# Altium PCB RevA3.PcbDoc (part 4 of 5)
Units mm, origin at the board's own origin, x right, y up, seen from the top; angles counter-clockwise.
Board outline 173 x 171 mm, 4 copper layers (Top Layer, Mid Layer 1, Mid Layer 2, Bottom Layer), stack 1.57 mm thick; 306 components, 465 nets, 1987 pads, 739 vias.
Unrouted connection lines stored in the file: 355.
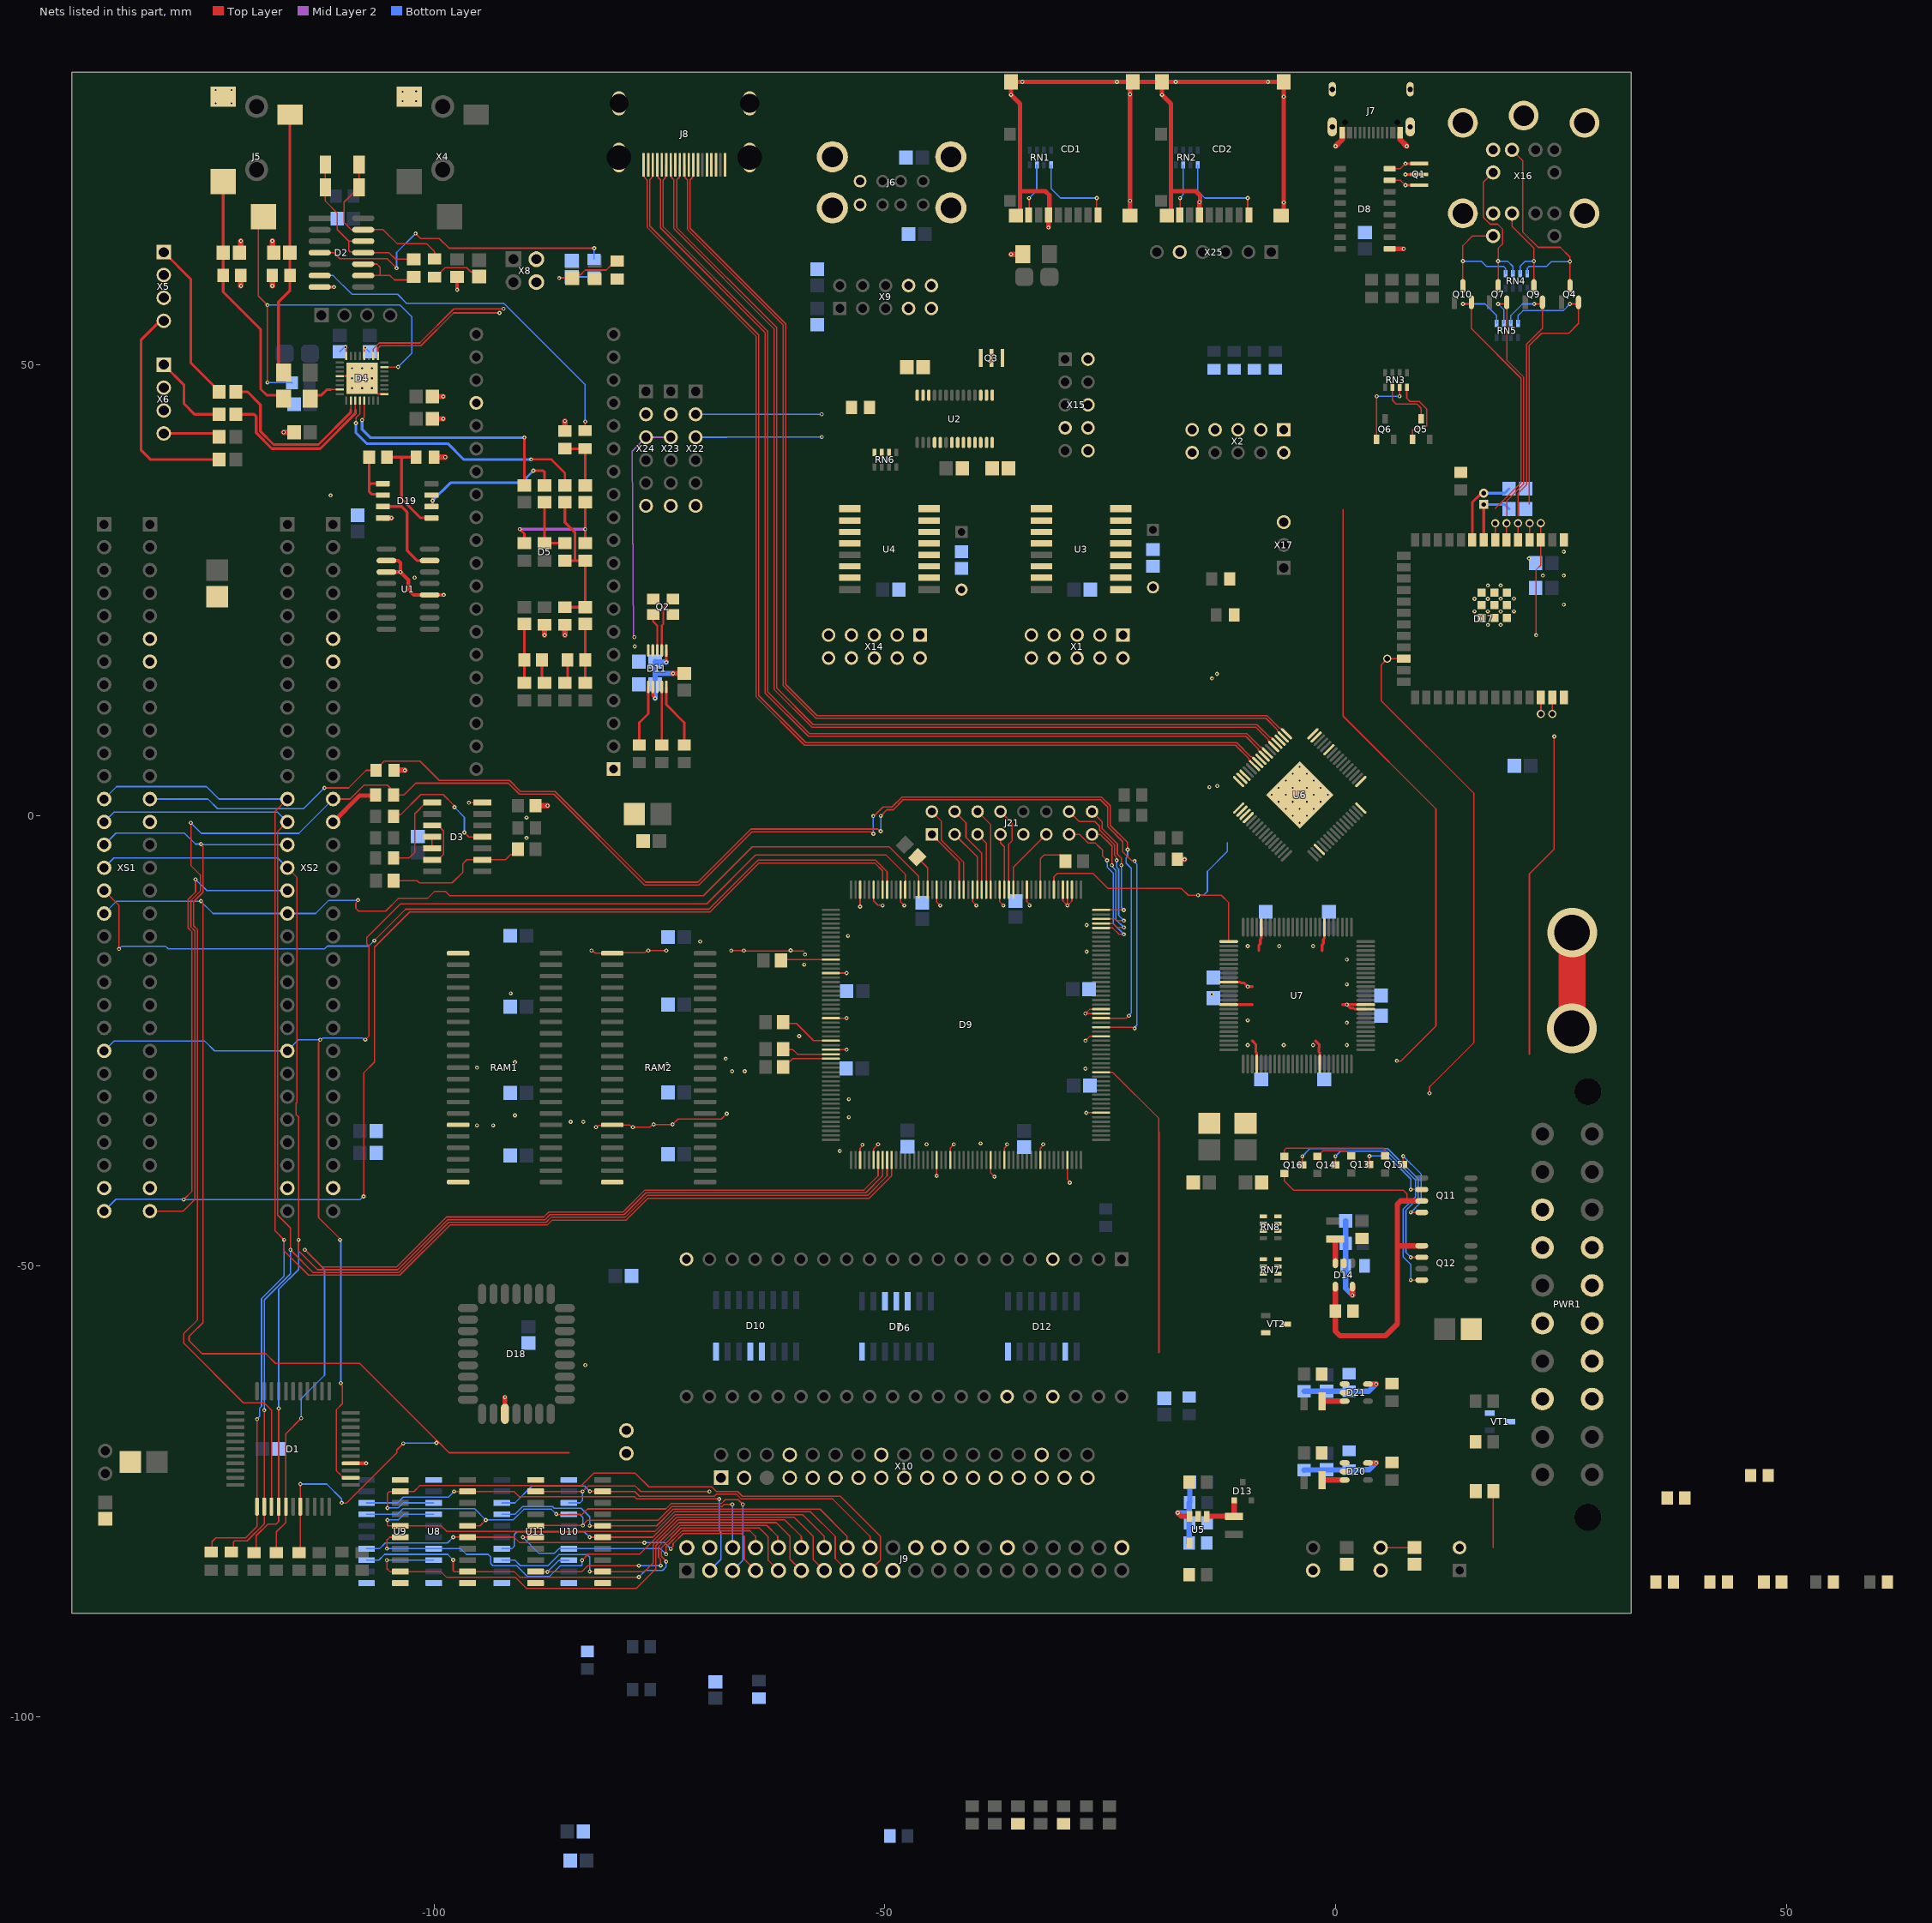
[diagram p6: the nets of this part, all layers, seen from the top]

## Via types
v1: diameter 0.45, hole 0.2, Top Layer to Bottom Layer, tented both sides, 631 vias
v2: diameter 0.9, hole 0.6, Top Layer to Bottom Layer, 35 vias
v3: diameter 0.5, hole 0.2, Top Layer to Bottom Layer, 25 vias
v4: diameter 0.45, hole 0.2, Top Layer to Bottom Layer, tented bottom, 18 vias
v5: diameter 0.45, hole 0.2, Top Layer to Bottom Layer, 15 vias
v6: diameter 1, hole 0.5, Top Layer to Bottom Layer, tented both sides, 9 vias
v7: diameter 5.5, hole 3.96, Top Layer to Bottom Layer, 6 vias

## Nets (pads, with @x,y where several pads share a name; then routed paths per layer and width w, separated by ;. In a path a pad name is that pad's centre, name@x,y a point inside that pad or via, vN(x,y) a via of type N, cw(c..) or ccw(c..) an arc to the next point about the centre after c; other vN are vias at no path point) (continued)
GND: C1.1 C2.1 C3.2 C10.2 C11.2 C12.2 C13.1 C14.2 C15.2 C16.1 C23.2 C24.2 C25.2 C26.2 C27.2 C29.2 C30.2 C32.2 C33.1 C34.2 C35.2 C36.2 C37.2 C38.2 C39.2 C40.1 C41.1 C43.1 C44.1 C45.1 C46.2 C48.2 C49.2 C50.2 C51.2 C52.1 C53.2 C54.2 C55.1 C56.1 C57.1 C59.1 C60.1 C61.2 C62.2 C63.2 C64.2 C65.2 C67.2 C68.2 C69.2 C71.2 C72.2 C73.2 C74.2 C76.2 C77.2 C82.2 C83.2 C84.2 C85.2 C86.2 C87.1 C88.2 C89.2 C90.2 C91.2 C92.2 C93.2 C94.2 C95.2 C96.2 C97.2 C98.2 C99.2 C100.2 C101.2 C102.2 C103.2 C104.2 C105.2 C106.2 C107.2 C108.2 C113.2 C114.2 CD1.6 CD1.11 CD1.12 CD1.13 CD1.14 CD2.6 CD2.11 CD2.12 CD2.13 CD2.14 D1.26 D2.7 D3.7 D4.9 D4.20 D4.24 D4.28 D4.33 D5.1 D5.24 D6.20 D6.37 D7.7 D8.1 D9.3 D9.6 D9.20 D9.23 D9.32 D9.35 D9.43 D9.49 D9.59 D9.76 D9.81 D9.82 D9.107 D9.108 D9.109 D9.117 D9.123 D9.129 D9.137 D9.145 D9.151 D9.154 D9.171 D9.181 D9.188 D10.4 D10.5 D10.8 D11.8 D12.7 D14.2 D17.1 D17.40 D17.EPAD D18.16 D19.4 D20.2 D21.2 J3.1 J4.1 J5.1 J6.4 J6.8 J6.Shell J7.A1_B12 J7.B1_A12 J7.S1 J7.S2 J7.S3 J7.S4 J8.2 J8.5 J8.8 J8.11 J8.17 J9.2 J9.19 J9.22 J9.24 J9.26 J9.30 J9.40 J21.9 PWR1.3 PWR1.5 PWR1.7 PWR1.13 PWR1.15 PWR1.16 PWR1.17 Q1.2 Q2.2 Q2.4 Q3.2 R9.1 R11.1 R16.1 R19.1 R22.1 R33.1 R34.1 R36.2 R38.1 R45.1 R54.1 R58.1 R63.1 R67.2 R72.1 R76.2 R84.1 R85.1 R100.2 R101.2 R103.1 R112.2 R120.1 R122.1 R124.1 R126.2 R127.2 RAM1.22 RAM1.37 RAM1.42 RAM2.22 RAM2.37 RAM2.42 RN8.1 RN8.2 RN8.3 U1.2 U1.3 U1.12 U2.1 U3.1 U3.2 U3.3 U3.8 U4.2 U4.3 U4.8 U5.2 U6.65 U7.10 U7.11 U7.32 U7.46 U7.60 U7.65 U7.79 U7.93 U8.10 U9.10 U10.10 U11.10 VT1.2 VT2.2 X1.8 X2.2 X2.10 X4.1 X5.2 X5.3 X6.2 X6.3 X8.2 X8.4 X9.7 X9.8 X10.1 X10.3 X10.7 X10.9 X10.11 X10.13 X10.15 X10.17 X10.19 X10.21 X10.23 X10.25 X10.27 X10.29 X10.31 X10.33 X14.8 X15.2 X15.10 X16.3 X16.9 X16.13 X16.14 X16.15 X16.16 X16.17 X17.3 X22.6 X23.6 X24.6 X25.5 XS1.A6 XS1.A7 XS1.A14 XS1.A30 XS1.B30 XS2.A6 XS2.A7 XS2.A14 XS2.A30 XS2.B30 | length 273.3
  Top Layer w0.15: D4.28@-110.475,48.75 -110.473,48.752 -109.827,48.752 ; v1(-109.849,51.964) -109.849,51.842 -109.75,51.744 D4.24@-109.75,50.975 ; D4.20@-107.75,50.975 -107.75,51.688 -107.658,51.78 v1(-107.658,51.902) ; v1(-96.15,1.4) -94.67,1.4 D3.7@-94.65,1.42 ; v1@-82.668,-15 v1(-82.55,-15) -82.428,-15 -82.128,-15.3 RAM2.22@-80.237,-15.3 -80.162,-15.225 -76.597,-15.225 -76.372,-15 v1(-76.25,-15) v1(-74.25,-15) ; -81.85,-34.4 -80.237,-34.4 -80.187,-34.35 -78.322,-34.35 -78.072,-34.6 v1(-77.95,-34.6) -76.072,-34.6 -75.772,-34.3 v1(-75.65,-34.3) v1(-73.55,-34.3) -72.95,-33.7 -68.15,-33.7 v1(-67.55,-33.1) ; v1(-67.05,-15) v1(-65.65,-15) -65.618,-15.031 -58.982,-15.031 -58.95,-15.063 ; D9.188@-56,-26 v1(-54.25,-26) ; D9.181@-56,-22.5 v1(-54.25,-22.5) ; D9.171@-56,-17.5 v1(-54.25,-17.5) ; D9.3@-52.75,-38.25 -52.75,-36.919 -52.5,-36.669 v1(-52.5,-36.548) ; v1(-52.75,-10.134) -52.75,-9.4 D9.154@-52.75,-8.25 ; D9.6@-51.25,-38.25 -51.25,-37 v1(-50.75,-36.5) ; D9.151@-51.25,-8.25 -51.25,-9.475 -50.775,-9.95 -50.3,-9.95 v1(-50.25,-10) ; D9.145@-48.25,-8.25 -48.25,-9.6 v1(-47.85,-10) ; v1(-44.25,-40) D9.20@-44.25,-38.25 ; D9.137@-44.25,-8.25 -44.25,-9.6 v1(-43.85,-10) ; D9.23@-42.75,-38.25 -42.75,-36.9 v1(-42.35,-36.5) ; D9.129@-40.25,-8.25 -40.25,-9.6 v1(-39.85,-10) ; D9.32@-38.25,-38.25 -38.25,-39.7 v1(-37.85,-40.1) ; D9.123@-37.25,-8.25 -37.25,-9.6 v1(-36.85,-10) ; D9.35@-36.75,-38.25 -36.75,-36.922 -36.45,-36.622 v1(-36.45,-36.5) ; D9.117@-34.25,-8.25 -34.25,-9.578 -33.95,-9.878 v1(-33.95,-10) ; D9.43@-32.75,-38.25 -32.75,-36.922 -32.45,-36.622 v1(-32.45,-36.5) ; D9.109@-30.25,-8.25 -30.25,-9.5 v1(-29.75,-10) ; D9.49@-29.75,-38.25 -29.75,-40.378 -29.5,-40.628 v1(-29.5,-40.75) ; D9.108@-29.75,-8.25 v1(-29.75,-10) ; D9.107@-29.25,-8.25 -29.25,-9.5 v1(-29.75,-10) ; v1(-27.75,-25) -27.25,-24.5 D9.76@-26,-24.5 ; v1(-27.65,-33) D9.59@-26,-33 ; D9.81@-26.05,-22 v1(-27.75,-22) -27.25,-21.5 D9.82@-26,-21.5
  Top Layer w0.2: v5(-106.9,47.4) -106.275,46.775 -105.55,46.775 D4.9@-105.525,46.75
  Top Layer w0.3: D2.7@-112.7,58.63 -112.694,58.624 -111.113,58.624 v1(-111.107,58.619) ; -109.827,48.752 -108.252,48.752 v5(-108,48.5) ; U7.65@-11.85,-21 -9.25,-21 ; U7.60@-11.85,-18.5 -10.599,-18.5 -10.499,-18.6 -10.15,-18.6 v1(-9.75,-19) -9.25,-19 ; -9.25,-25 -8.853,-25.397 -8.853,-26.25 -8.75,-26.353 U7.79@-8.75,-27.6 ; -8.5,-15 -8.5,-14.394 -8.35,-14.243 -8.35,-13.751 -8.25,-13.651 U7.46@-8.25,-12.4 ; -2.25,-25 -1.8,-25.45 -1.8,-25.701 -1.85,-25.751 -1.85,-26.249 -1.75,-26.349 U7.93@-1.75,-27.6 ; -1.5,-15 -1.5,-14.384 -1.35,-14.234 -1.35,-13.751 -1.25,-13.651 U7.32@-1.25,-12.4 ; 0.75,-21 v1(1.25,-21) ; U7.10@3.35,-21.5 2.099,-21.5 1.999,-21.4 1.65,-21.4 v1(1.25,-21) ; U7.11@3.35,-21 v1(1.25,-21) ; v1(7.758,71.12) Q1.2@9.275,71.12
  Top Layer w0.4: D1.26@-109.25,-71.9 v1(-107.55,-71.9) ; U1.3@-105.3,27 v1(-103.75,27) ; U1.2@-105.3,28.27 -103.984,28.27 -103.75,28.036 v1(-103.75,27) ; v1(-98.928,24.464) -98.93,24.462 -100.498,24.462 U1.12@-100.5,24.46 -102.266,24.46 -102.856,25.05 -102.856,26.106 v1(-103.75,27) ; v1(-97.45,58.31) R16.1@-97.45,59.41
  Top Layer w0.5: XS2.A14@-111.178,-0.7 -108.278,2.2 R9.1@-106.65,2.2 ; D18.16@-92.162,-66.769 -92.15,-66.757 v1(-92.15,-64.558) ; CD1.14@-35.464,66.537 -35.014,66.987 -35.014,69.25 ; v1(-31.854,65.229) CD1.6@-31.854,66.627 -31.75,66.731 -31.75,68.811 -32.189,69.25 -35.014,69.25 ; CD1.13@-22.804,66.537 v1(-22.804,68.187) v1(-22.804,80) -22.804,81.087 CD1.12@-22.504,81.387 ; CD2.14@-18.714,66.537 -18.264,66.987 -18.264,69.25 ; CD2.6@-15.104,66.627 v1(-15.104,68.046) ; v1@-15.085,68.073 -15.085,68.092 -15.038,68.139 -15.038,68.796 -15.492,69.25 -18.264,69.25 ; CD2.13@-6.054,66.537 -5.754,66.837 v1(-5.754,68) -5.752,68.002 -5.752,79.748 v1(-5.75,79.75) -5.75,81.383 CD2.12@-5.754,81.387 v1(-7.5,81.387) v1(-17.75,81.387) CD2.11@-19.254,81.387 ; D8.1@6,62.86 v1(7.551,62.86) ; -35.014,69.25 -35.014,78.955 v1(-36.004,79.945) CD1.11@-36.004,81.387 v1(-34.75,81.387) v1(-24.25,81.387) CD1.12@-22.504,81.387 ; CD1.12@-22.504,81.387 CD2.11@-19.254,81.387 ; CD2.11@-19.254,81.387 v1(-19.254,79.945) -18.264,78.955 -18.264,69.25
  Top Layer w0.6: C1.1@-121.601,62.44 -121.451,62.591 v1(-121.451,63.75) ; v1(-121.451,58.75) R84.1@-121.45,59.9 ; v1(-117.952,58.75) R85.1@-117.952,59.9 ; v1(-117.952,63.75) -117.952,62.591 C2.1@-117.802,62.44 ; v1(-116.7,42.5) C30.2@-115.552,42.5 ; D19.4@-105.7,33 v1(-104.75,33) ; R11.1@-104.448,5 -104.433,5.014 -103.264,5.014 v1(-103.25,5) ; C32.2@-100.198,44 v1(-99,44) ; C25.2@-100.198,46.475 v1(-99,46.475) ; R22.1@-99.996,39.75 v1(-98.769,39.75) ; R19.1@-88.75,1.073 v1(-87.425,1.073) ; v1(-87.75,20) R100.2@-87.75,21.15 ; v1(-85.5,20) R101.2@-85.5,21.15 ; R103.1@-85.5,42.637 v1(-85.5,43.75) ; v1(-36,62.25) C33.1@-34.7,62.25 ; R63.1@-17.547,-4.883 v1(-16.75,-4.883) ; v1(0.001,74.25) 0.75,74.999 J7.B1_A12@0.75,75.75 ; J7.A1_B12@7.15,75.75 7.15,75.224 7.165,75.209 7.165,74.984 v1(7.899,74.25)
  Top Layer w3: v7(26.2,-23.64) 26.225,-23.615 26.225,-13.025 v7(26.25,-13)
  Bottom Layer w0.15: C23.2@-110.475,51.448 -109.959,51.964 v1(-109.849,51.964) ; v1(-107.658,51.902) -107.205,51.448 C24.2@-107.125,51.448
  other v1: -83.25,-61 -55,-37.25 -45.375,-36.5 -39.375,-36.4 -82.05,-34.6 -95.25,-34.4 -93.45,-34.4 -84.85,-34 -83.45,-34 -54,-33.5 -91.05,-33.3 -54,-31.5 -66.95,-28.4 -65.55,-28.4 -27.75,-28.106 -95.25,-28 -74.15,-27.6 -91.05,-27.4 -67.65,-27 -9.75,-25.5 -5.75,-25.5 -2.5,-25.5 1.25,-25.5 -59.5,-24.5 1.25,-23 -9.75,-22.75 -13.75,-19.85 -91.5,-19.75 1.25,-18.75 -58.95,-16.562 1.25,-16 -58.859,-15.437 -27.622,-15.125 -60.445,-14.978 -9.75,-14.5 -6.25,-14.5 -2.5,-14.5 -70.5,-14 -54.1,-13.375 -27.622,-12.176 -89.75,-2.5 -89.75,-0.25 16.904,21.138 18.305,21.138 15.405,22.627 16.891,22.634 18.303,22.619 19.79,22.632 25.322,23.386 15.409,24.028 16.891,24.023 18.306,24.037 19.78,24.047 16.899,25.518 18.305,25.518 -102.161,26.381 23,26.61 25.322,26.61 21.453,28.514 25.322,29.25 -111.5,35.5 -124.25,79 -122.5,79 -103.5,79.25 -102,79.25 -103.5,80.31 -102,80.325 -124.25,80.5 -122.5,80.5
  other v3: -3.979,-0.829 -4.757,-0.051 -3.202,-0.051 -5.535,0.727 -3.979,0.727 -2.424,0.727 -6.313,1.505 -4.757,1.505 -3.202,1.505 -1.646,1.505 -7.091,2.283 -5.535,2.283 -3.979,2.283 -2.424,2.283 -0.868,2.283 -6.313,3.061 -4.757,3.061 -3.202,3.061 -1.646,3.061 -5.535,3.838 -3.979,3.838 -2.424,3.838 -4.757,4.616 -3.202,4.616 -3.979,5.394
  other v5: -109.1,47.4 -108,47.4 -109.1,48.5 -106.9,48.5 -109.1,49.6 -108,49.6 -106.9,49.6
GPAD1_BTN_B_10: U3.9 X1.6
GPAD1_BTN_C_10: U3.10 X1.9
GPAD1_DN_10: U3.5 X1.2
GPAD1_LEFT_10: U3.6 X1.3
GPAD1_RIGHT_10: U3.7 X1.4
GPAD1_UP_10: U3.4 X1.1
GPAD2_BTN_B_10: U4.9 X14.6
GPAD2_BTN_C_10: U4.10 X14.9
GPAD2_DN_10: U4.5 X14.2
GPAD2_LEFT_10: U4.6 X14.3
GPAD2_RIGHT_10: U4.7 X14.4
GPAD2_UP_10: U4.4 X14.1
GPAD_SELECT_10: U3.12 X1.7 X14.7
GPIO_0_1: D9.132 J21.1 | length 7.4
  Top Layer w0.15: J21.1@-44.797,-2.114 -41.766,-5.145 -41.766,-8.234 D9.132@-41.75,-8.25
GPIO_1_1: D9.131 J21.2 | length 10.1
  Top Layer w0.15: J21.2@-44.797,0.426 -43.75,-0.621 -43.75,-2.737 -41.25,-5.237 D9.131@-41.25,-8.25
GPIO_2_1: D9.128 J21.3 | length 7.2
  Top Layer w0.15: J21.3@-42.257,-2.114 -39.75,-4.621 D9.128@-39.75,-8.25
GPIO_3_1: D9.127 J21.4 | length 9.9
  Top Layer w0.15: J21.4@-42.257,0.426 -41,-0.831 -41,-2.458 -39.25,-4.208 D9.127@-39.25,-8.25
GPIO_4_1: D9.126 J21.5 | length 6.5
  Top Layer w0.15: J21.5@-39.717,-2.114 -38.75,-3.081 D9.126@-38.75,-8.25
GPIO_5_1: D9.125 J21.6 | length 9.3
  Top Layer w0.15: J21.6@-39.717,0.426 -38.25,-1.041 D9.125@-38.25,-8.25
GPIO_6_1: D9.122 J21.7 | length 6.3
  Top Layer w0.15: J21.7@-37.177,-2.114 -37.177,-3.073 -36.75,-3.5 D9.122@-36.75,-8.25
GPIO_7_1: D9.121 J21.8 | length 9.4
  Top Layer w0.15: J21.8@-37.177,0.426 -35.875,-0.876 -35.875,-2.809 -36.25,-3.184 D9.121@-36.25,-8.25
GPIO_8_1: D9.120 J21.11 | length 7.7
  Top Layer w0.15: D9.120@-35.75,-8.25 -35.75,-5.75 -32.114,-2.114 J21.11@-32.097,-2.114
GPIO_9_1: D9.134
GPIO_10_1: D9.100 J21.13 | length 17.6
  Top Layer w0.15: J21.13@-29.557,-2.114 -28.388,-2.114 -27.418,-3.084 -26.632,-3.084 -26.232,-3.484 -25.838,-3.878 -25.838,-4.517 v1(-25.357,-4.998) ; D9.100@-26,-12.5 -24.728,-12.5 -24.025,-13.203 v1(-23.485,-13.203)
  Bottom Layer w0.15: v1(-25.357,-4.998) -25.34,-5.015 -25.34,-5.752 -24.665,-6.427 -24.665,-12.023 v1(-23.485,-13.203)
GPIO_11_1: D9.102 J21.14 | length 18.2
  Top Layer w0.15: J21.14@-29.557,0.426 -28.441,-0.69 -26.706,-0.69 -26.192,-1.204 -26.192,-1.604 -24.511,-3.285 -24.511,-4.42 -24.332,-4.599 -24.332,-4.957 v1(-24.29,-4.999) ; D9.102@-26,-11.5 -24.5,-11.5 -24.319,-11.681 v1(-23.485,-11.681)
  Bottom Layer w0.15: v1(-24.29,-4.999) -24.29,-5.752 -24.065,-5.977 -24.065,-11.101 v1(-23.485,-11.681)
GPIO_12_1: D9.101 J21.15 | length 15
  Top Layer w0.15: J21.15@-27.017,-2.114 -26.106,-2.114 -24.815,-3.405 v1(-24.815,-5.535) ; D9.101@-26,-12 -24.697,-12 -24.265,-12.431 v1(-23.485,-12.431)
  Bottom Layer w0.15: v1(-24.815,-5.535) -24.815,-5.651 -24.365,-6.101 -24.365,-11.551 v1(-23.485,-12.431)
GPIO_13_1: D9.104 J21.16 | length 14.9
  Top Layer w0.15: J21.16@-27.017,0.426 -25.892,-0.699 -25.892,-1.48 -24.211,-3.16 -24.211,-4.296 -23.765,-4.741 v1(-23.765,-5.535) ; D9.104@-26,-10.5 -25.998,-10.502 -23.495,-10.502 v1(-23.493,-10.504)
  Bottom Layer w0.15: v1(-23.765,-5.535) -23.765,-10.191 -23.493,-10.463 v1(-23.493,-10.504)
H\A\L\T\: D1.14 XS1.B15 XS2.B15 | length 102.2
  Top Layer w0.15: v1(-125.875,-3.182) -125.875,-3.27 -125.65,-3.495 -125.65,-8.532 -126.7,-9.582 -126.7,-12.242 -126.25,-12.692 -126.25,-55.984 -127.8,-57.534 -127.8,-58.536 -121.162,-65.175 -118.862,-65.175 -118.05,-65.987 D1.14@-118.05,-76.7
  Bottom Layer w0.15: XS1.B15@-136.985,-3.645 -135.299,-1.958 -127.711,-1.958 -126.487,-3.182 v1(-125.875,-3.182) -125.818,-3.239 -116.32,-3.239 XS2.B15@-116.29,-3.27
HD0_5: J9.17 U8.2 U9.3 | length 69.8
  Top Layer w0.15: v1(-105.183,-76.852) -105.183,-75.245 -104.958,-75.02 U8.2@-103.75,-75.02 -102.242,-75.02 -101.602,-74.38 -83.689,-74.38 -82.309,-73 -77.695,-73 -76.187,-74.508 -69.216,-74.508 -68.691,-75.033 -66.336,-75.033 -65.812,-75.557 -54.943,-75.557 -50.5,-80 -50.5,-82.64 J9.17@-51.65,-83.79
  Bottom Layer w0.15: v1(-105.183,-76.852) -104,-76.852 -103.438,-76.29 U9.3@-100.05,-76.29
HD1_5: J9.15 U8.5 U9.4 | length 62.3
  Top Layer w0.15: v1(-105.183,-78.189) -105.183,-78.742 -105.095,-78.83 U8.5@-103.75,-78.83 -99.225,-78.83 -98.582,-79.473 -75.544,-79.473 -73.353,-77.283 -58.234,-77.283 -55.51,-80.007 -55.51,-82.47 J9.15@-54.19,-83.79
  Bottom Layer w0.15: v1(-105.183,-78.189) -104,-78.189 -103.371,-77.56 U9.4@-100.05,-77.56
HD2_5: J9.13 U8.6 U9.7 | length 59.8
  Top Layer w0.15: v1(-105.25,-81.37) -105.25,-80.411 -104.939,-80.1 U8.6@-103.75,-80.1 ; v1(-83.597,-82.663) -82.918,-81.984 -77.206,-81.984 -73.105,-77.883 -60.069,-77.883 -57.952,-80 -57.952,-82.568 J9.13@-56.73,-83.79
  Bottom Layer w0.15: v1(-105.25,-81.37) U9.7@-100.05,-81.37 -97.048,-81.37 -96.418,-82 -94.015,-82 -93.726,-82.289 -93.726,-83.024 -93.5,-83.25 -90.861,-83.25 -89.643,-84.468 -87.224,-84.468 -86.006,-83.25 -83.685,-83.25 -83.597,-83.162 v1(-83.597,-82.663)
HD3_5: J9.11 U8.9 U9.8 | length 61.3
  Top Layer w0.15: v1(-105.25,-82.64) -105.25,-83.585 -104.925,-83.91 U8.9@-103.75,-83.91 -99.263,-83.91 -98.644,-84.529 -91.011,-84.529 -89.76,-85.78 -77.571,-85.78 -75.403,-83.612 -75.403,-81.029 -72.856,-78.483 -62.04,-78.483 -60.523,-80 -60.523,-82.537 J9.11@-59.27,-83.79
  Bottom Layer w0.15: v1(-105.25,-82.64) U9.8@-100.05,-82.64
HD4_5: J9.9 U8.12 U9.13 | length 55.4
  Top Layer w0.15: v1(-97.891,-82.619) -97.891,-83.822 -97.803,-83.91 U8.12@-96.3,-83.91 -91.134,-83.91 -90.515,-84.529 -77.307,-84.529 v1(-77.304,-84.526) ; v1(-74.265,-82.818) -74.265,-82.743 -74.803,-82.205 -74.803,-81.278 -72.608,-79.083 -63.917,-79.083 -62.935,-80.065 -62.935,-82.665 J9.9@-61.81,-83.79
  Bottom Layer w0.15: U9.13@-107.5,-82.64 -106.145,-82.64 -105.505,-82 -98.51,-82 v1(-97.891,-82.619) ; v1(-77.304,-84.526) -76.552,-83.774 -75.096,-83.774 -75.095,-83.775 -74.66,-83.775 -74.265,-83.38 v1(-74.265,-82.818)
HD5_5: J9.7 U8.15 U9.14 | length 48.3
  Top Layer w0.15: v1(-97.889,-80.093) -96.307,-80.093 U8.15@-96.3,-80.1 -91.134,-80.1 -90.525,-80.709 v1(-76.674,-80.709) ; v1(-73.753,-81.395) -73.753,-81.347 -73.488,-81.082 -73.488,-80.811 -72.359,-79.683 -65.909,-79.683 -65.592,-80 -65.592,-82.548 J9.7@-64.35,-83.79
  Bottom Layer w0.15: U9.14@-107.5,-81.37 -106.075,-81.37 -105.435,-80.73 -98.526,-80.73 v1(-97.889,-80.093) ; v1(-76.674,-80.709) -74.438,-80.709 v1(-73.753,-81.395)
HD6_5: J9.5 U8.16 U9.17 | length 54.3
  Top Layer w0.15: U8.16@-96.3,-78.83 -94.907,-78.83 v1(-94.267,-78.189) ; v1(-86.461,-77.534) -86.404,-77.591 -83.618,-77.591 -82.988,-76.96 -74.303,-76.96 -73.726,-76.383 -68.168,-76.383 -67.718,-75.933 -66.285,-75.933 v1(-65.76,-76.458)
  Bottom Layer w0.15: U9.17@-107.5,-77.56 -104.079,-77.56 -103.438,-76.919 -95.537,-76.919 v1(-94.267,-78.189) -91.245,-78.189 -90.051,-76.995 -87,-76.995 v1(-86.461,-77.534) ; J9.5@-66.89,-83.79 -65.76,-82.66 v1(-65.76,-76.458)
HD7_5: J9.3 U8.19 U9.18 | length 48.5
  Top Layer w0.15: v1(-97.793,-75.02) U8.19@-96.3,-75.02 -91.134,-75.02 -90.534,-75.62 -77.75,-75.62 -77.512,-75.858 v1(-68.386,-75.858)
  Bottom Layer w0.15: U9.18@-107.5,-76.29 -104.079,-76.29 -103.438,-75.649 -98.422,-75.649 v1(-97.793,-75.02) ; J9.3@-69.43,-83.79 -68.175,-82.535 -68.175,-79.598 -68.386,-79.388 v1(-68.386,-75.858)
HD8_5: J9.4 U10.2 U11.3 | length 22.4
  Top Layer w0.15: U10.2@-88.75,-75.02 v1(-83.54,-75.02) -82.913,-74.393 -77.716,-74.393 -77.076,-75.033 v1(-69.464,-75.033)
  Bottom Layer w0.15: U11.3@-85.05,-76.29 -83.821,-76.29 -83.54,-76.009 v1(-83.54,-75.02)
HD9_5: J9.6 U10.5 U11.4 | length 30.3
  Top Layer w0.15: U10.5@-88.75,-78.83 -88.715,-78.795 v1(-83.499,-78.795) ; v1@-83.499,-78.83 -83.499,-78.715 -82.987,-78.203 -75.122,-78.203 -73.602,-76.683 -68.044,-76.683 -67.819,-76.458 v1(-66.926,-76.458)
  Bottom Layer w0.15: U11.4@-85.05,-77.56 -83.837,-77.56 -83.499,-77.898 v1(-83.499,-78.795) ; v1(-66.926,-76.458) -66.908,-76.476 -66.908,-81.232 J9.6@-66.89,-81.25
HD10_5: J9.8 U10.6 U11.7 | length 31.5
  Top Layer w0.15: v1(-90.161,-80.1) U10.6@-88.75,-80.1 ; v1(-74.278,-81.984) -74.278,-81.177 -72.484,-79.383 -64.967,-79.383 -64.35,-80 J9.8@-64.35,-81.25
  Bottom Layer w0.15: v1(-90.161,-80.1) -88.366,-81.895 -86.692,-81.895 -86.167,-81.37 U11.7@-85.05,-81.37 -74.892,-81.37 v1(-74.278,-81.984)
HD11_5: J9.10 U10.9 U11.8 | length 35.2
  Top Layer w0.15: U10.9@-88.75,-83.91 -88.717,-83.943 v1(-87.441,-83.943) ; v1@-87.387,-83.943 -83.647,-83.943 -82.954,-83.25 v1(-77.304,-83.25) ; v1(-74.878,-83.25) -74.878,-82.554 -75.103,-82.329 -75.103,-81.154 -72.732,-78.783 -63.102,-78.783 -61.885,-80 -61.885,-81.175 J9.10@-61.81,-81.25
  Bottom Layer w0.15: v1(-87.441,-83.943) -86.165,-82.666 -85.076,-82.666 U11.8@-85.05,-82.64 ; v1(-77.304,-83.25) v1(-74.878,-83.25)
HD12_5: J9.12 U10.12 U11.13 | length 41.3
  Top Layer w0.15: v1(-82.75,-83.91) U10.12@-81.3,-83.91 -76.66,-83.91 -75.703,-82.953 -75.703,-80.905 -72.981,-78.183 -61.087,-78.183 -59.27,-80 J9.12@-59.27,-81.25
  Bottom Layer w0.15: U11.13@-92.5,-82.64 -91.047,-82.64 -90.437,-83.25 -87.377,-83.25 -86.167,-82.04 -83.025,-82.04 -82.75,-82.315 v1(-82.75,-83.91)
HD13_5: J9.14 U10.15 U11.14 | length 40.8
  Top Layer w0.15: v1(-82.75,-80.1) U10.15@-81.3,-80.1 -75.746,-80.1 -73.229,-77.583 -59.154,-77.583 -56.73,-80.007 J9.14@-56.73,-81.25
  Bottom Layer w0.15: U11.14@-92.5,-81.37 -91.382,-81.37 -91.109,-81.097 -91.109,-79.79 -90.819,-79.5 -83.35,-79.5 v1(-82.75,-80.1)
HD14_5: J9.16 U10.16 U11.17 | length 43.4
  Top Layer w0.15: v1(-82.75,-78.83) U10.16@-81.3,-78.83 -75.325,-78.83 -73.478,-76.983 -57.207,-76.983 -54.19,-80 J9.16@-54.19,-81.25
  Bottom Layer w0.15: U11.17@-92.5,-77.56 -91.04,-77.56 -90.161,-76.681 -86.889,-76.681 -86.68,-76.89 -83.837,-76.89 -83.828,-76.881 -83.704,-76.881 -82.75,-77.835 v1(-82.75,-78.83)
HD15_5: J9.18 U10.19 U11.18 | length 45.4
  Top Layer w0.15: v1(-82.734,-75.004) -81.316,-75.004 U10.19@-81.3,-75.02 -77.749,-75.02 -77.211,-75.558 -68.928,-75.558 -68.703,-75.333 -66.46,-75.333 -65.935,-75.858 -55.792,-75.858 -51.65,-80 J9.18@-51.65,-81.25
  Bottom Layer w0.15: U11.18@-92.5,-76.29 -91.04,-76.29 -89.17,-74.42 -83.319,-74.42 v1(-82.734,-75.004)
HDD_RDBUF_5: U9.11 U11.11
HDD_RDH_5: U11.1
HDD_RDL_5: U9.1
HDD_WRH_5: U10.11
HDD_WRL_5: U8.11
HDD_WROE_5: U8.1 U10.1
HDMI_CEC_13: J8.13
HDMI_CLK_13_N: J8.12 U6.17 | length 120
  Top Layer w0.15: J8.12@-71.25,72.2 -71.315,72.135 -71.315,70.806 -71.61,70.511 -71.61,65.151 -61,54.541 -61,14.536 -57.535,11.071 -7.606,11.071 -6.225,9.69 -6.083,9.69 U6.17@-5.447,9.053
HDMI_CLK_13_P: J8.10 U6.18 | length 120.3
  Top Layer w0.15: J8.10@-72.25,72.2 -72.185,72.135 -72.185,70.806 -71.91,70.531 -71.91,65.026 -61.3,54.416 -61.3,14.412 -57.659,10.771 -7.73,10.771 -6.437,9.478 -6.437,9.336 U6.18@-5.8,8.7
HDMI_HP_13: J8.19 R45.2 U6.16
HDMI_SCL_13: J8.15 R43.2 U6.33
HDMI_SDA_13: J8.16 R37.2 U6.34
HDMI_TX0_13_N: J8.9 U6.20 | length 120.9
  Top Layer w0.15: J8.9@-72.75,72.2 -72.808,72.142 -72.808,70.799 -73.099,70.508 -73.099,65.225 -62,54.127 -62,14.122 -57.949,10.071 -8.727,10.071 -7.285,8.629 -7.144,8.629 U6.20@-6.507,7.993
HDMI_TX0_13_P: J8.7 U6.21 | length 121.1
  Top Layer w0.15: J8.7@-73.75,72.2 -73.691,72.141 -73.691,70.801 -73.399,70.508 -73.399,65.101 -62.3,54.002 -62.3,13.997 -58.074,9.771 -8.851,9.771 -7.497,8.417 -7.497,8.275 U6.21@-6.861,7.639
HDMI_TX1_13_N: J8.6 U6.23 | length 121.7
  Top Layer w0.15: J8.6@-74.25,72.2 -74.315,72.135 -74.315,70.806 -74.593,70.528 -74.593,65.306 -63,53.712 -63,13.707 -58.364,9.071 -9.848,9.071 -8.346,7.568 -8.204,7.568 U6.23@-7.568,6.932
HDMI_TX1_13_P: J8.4 U6.24 | length 121.9